# Altium PCB ie-track-kit-arduino-1.PcbDoc (part 1 of 3)
Units mm, origin at the board's own origin, x right, y up, seen from the top; angles counter-clockwise.
Board outline 115 x 212.3 mm, 2 copper layers (Top Layer, Bottom Layer), stack 1.571 mm thick; 281 components, 210 nets, 1109 pads, 342 vias.
Unrouted connection lines stored in the file: 36.
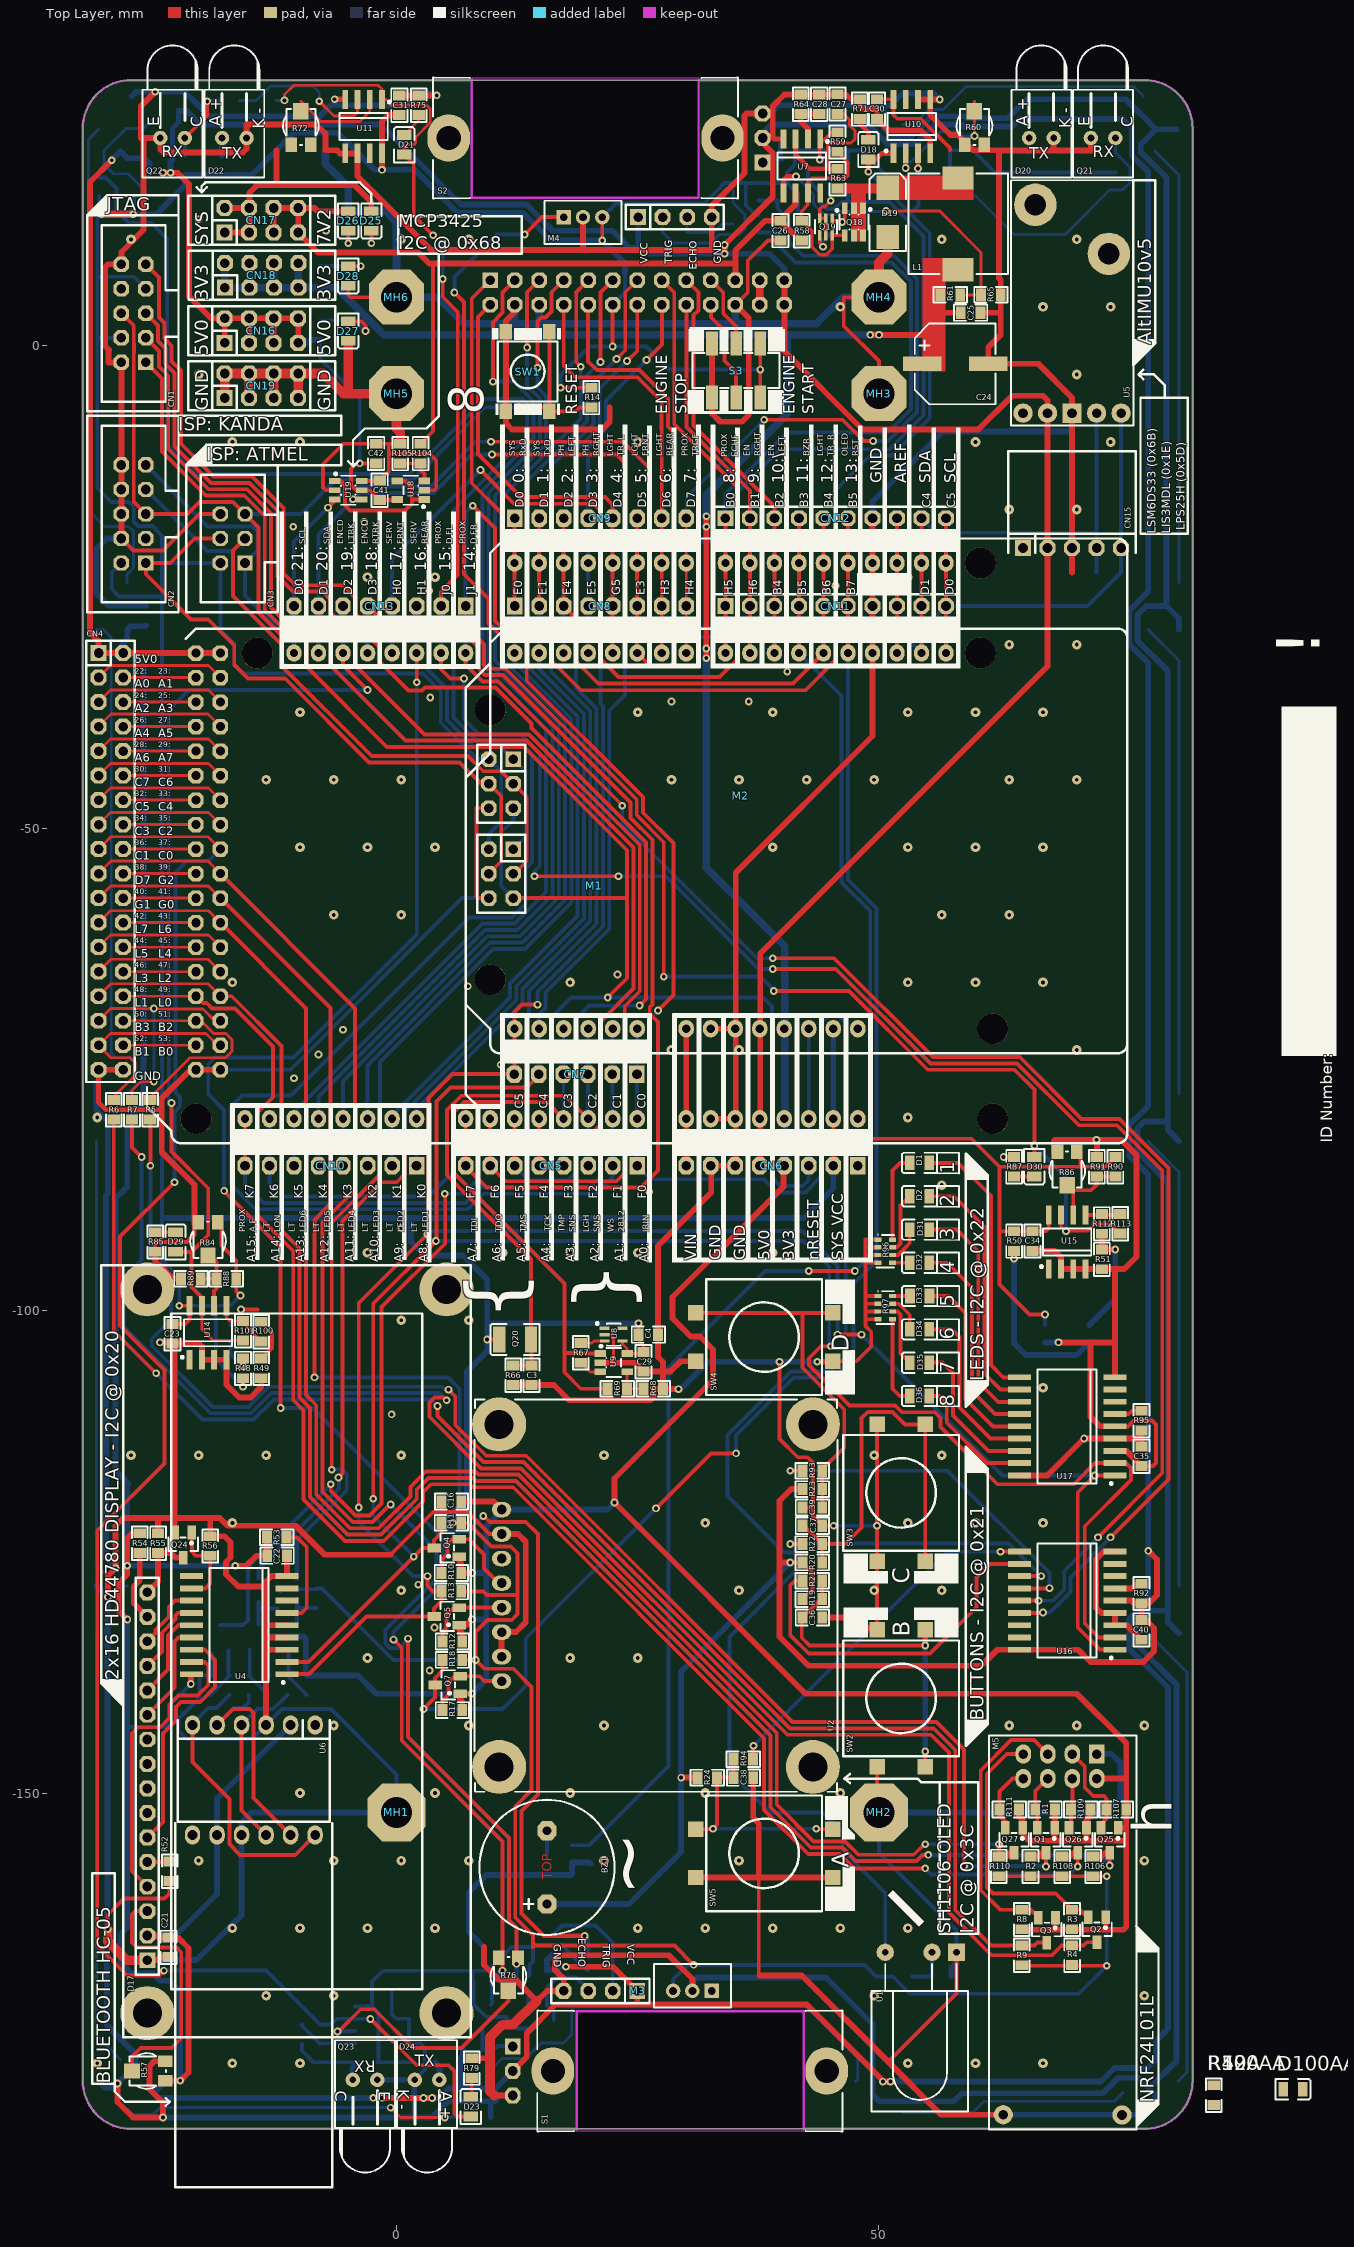
[diagram p0: Top Layer view]
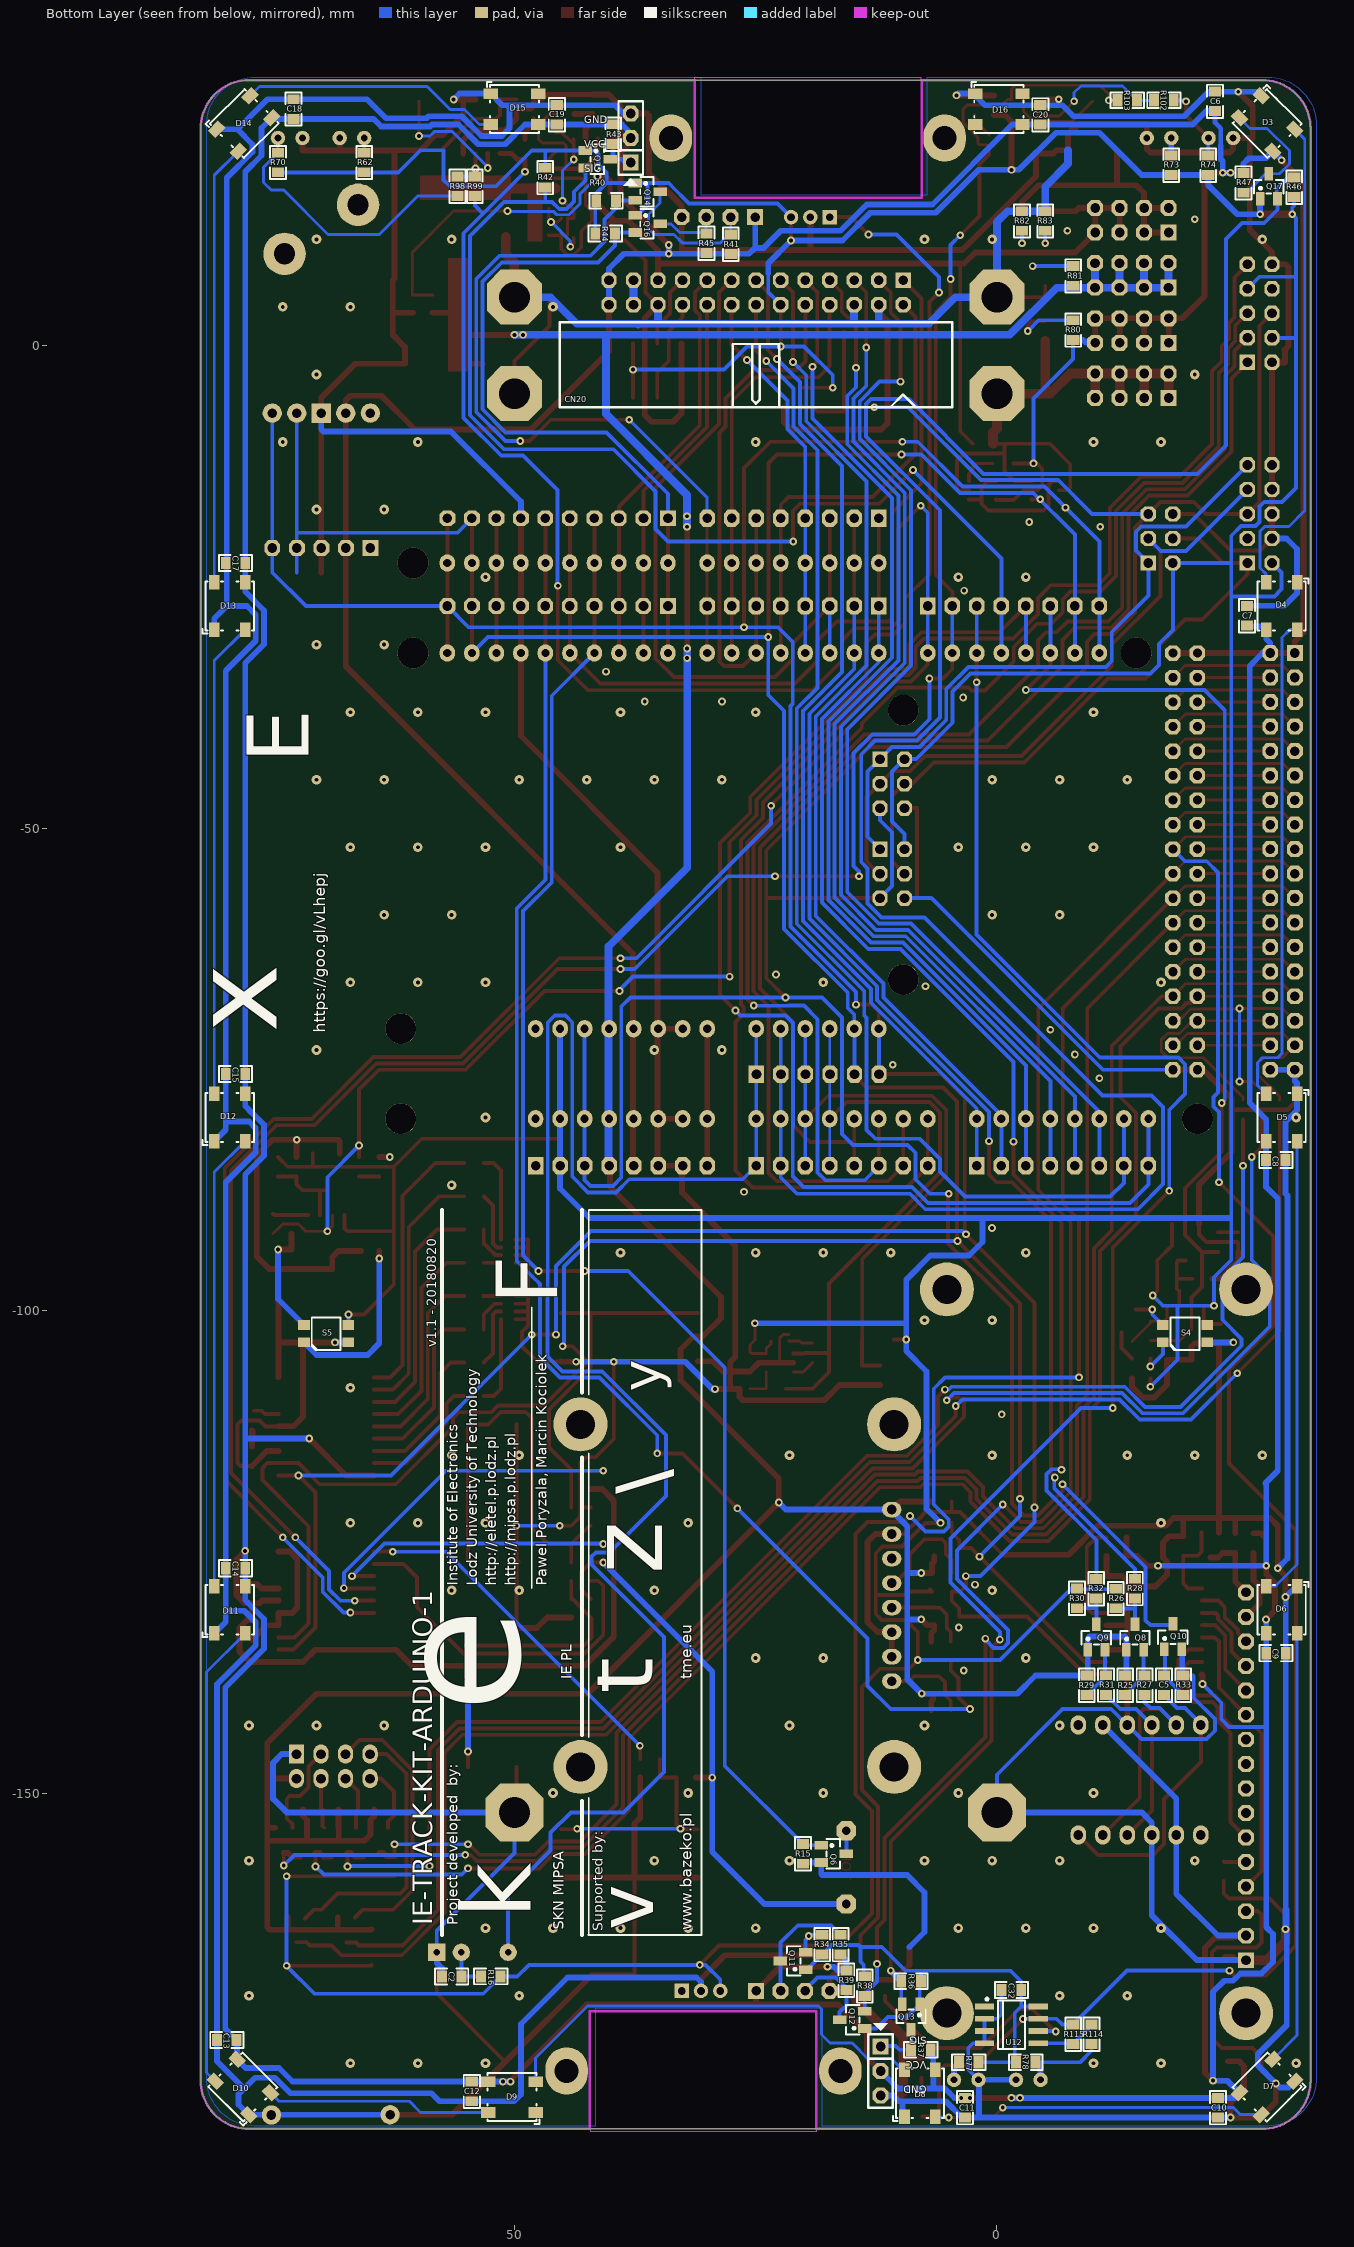
[diagram p1: Bottom Layer view, seen from below]

## Layer stack, top to bottom
Top Solder: solder mask 0.0102, Solder Resist, Dk 3.5
Top Layer: signal copper 0.0356
Dielectric 1: dielectric 1.5, FR-4, Dk 4.8
Bottom Layer: signal copper 0.0356
Bottom Solder: solder mask 0.0102, Solder Resist, Dk 3.5

## Board outline
-32.5,-179.8 -32.5,22.5 cw(c-27.5,22.5) -27.5,27.5 77.5,27.5 cw(c77.5,22.5) 82.5,22.5 82.5,-179.8 cw(c77.5,-179.8) 77.5,-184.8 -27.5,-184.8 cw(c-27.5,-179.8)

## Design rules (kind name [scope] priority, off if disabled: settings)
Clearance [All] p1: gap=0.254 ignorepadtopadclearanceinfootprint=FALSE except(0: Arc-Hole Track-Hole SMDPad-Hole THPad-Hole Via-Hole Fill-Hole Poly-Hole Region-Hole Text-Hole)
PolygonConnect [All] p1: thpad.connectstyle=Relief thpad.reliefconductorwidth=0.5 thpad.reliefentries=4 thpad.polygonreliefangle="90 Angle" thpad.airgapwidth=0.254 smdpad.connectstyle=Relief smdpad.reliefconductorwidth=0.5 smdpad.reliefentries=4 smdpad.polygonreliefangle="90 Angle" smdpad.airgapwidth=0.254 via.connectstyle=Direct via.reliefconductorwidth=0.5 via.reliefentries=4 via.polygonreliefangle="90 Angle" via.airgapwidth=0.254
RoomDefinition "[11] - PERIPHERALS D" [InComponentClass('[11] - PERIPHERALS D')] p1 off: confinementstyle=ConfineIn formatcopy=TRUE lockcomponents=FALSE outline -458,-388 -407.2,-388 -407.2,-362.6 -458,-362.6
RoomDefinition "[12] - COMMUNICATION" [InComponentClass('[12] - COMMUNICATION')] p2 off: confinementstyle=ConfineIn formatcopy=TRUE lockcomponents=FALSE outline -458,-388 -407.2,-388 -407.2,-362.6 -458,-362.6
RoomDefinition "[08] - PERIPHERALS A" [InComponentClass('[08] - PERIPHERALS A')] p3 off: confinementstyle=ConfineIn formatcopy=TRUE lockcomponents=FALSE outline -458,-388 -407.2,-388 -407.2,-362.6 -458,-362.6
RoomDefinition "[13] - CONNECTOR" [InComponentClass('[13] - CONNECTOR')] p4 off: confinementstyle=ConfineIn formatcopy=TRUE lockcomponents=FALSE outline -458,-388 -407.2,-388 -407.2,-362.6 -458,-362.6
RoomDefinition "[07] - DEBUGGING & PROGRAMMING" [InComponentClass('[07] - DEBUGGING & PROGRAMMING')] p5 off: confinementstyle=ConfineIn formatcopy=TRUE lockcomponents=FALSE outline -458,-388 -407.2,-388 -407.2,-362.6 -458,-362.6
RoomDefinition "[04] - ARDUINO UNO (MEGA)" [InComponentClass('[04] - ARDUINO UNO (MEGA)')] p6 off: confinementstyle=ConfineIn formatcopy=TRUE lockcomponents=FALSE outline -458,-388 -407.2,-388 -407.2,-362.6 -458,-362.6
RoomDefinition "[10] - PERIPHERALS C" [InComponentClass('[10] - PERIPHERALS C')] p7 off: confinementstyle=ConfineIn formatcopy=TRUE lockcomponents=FALSE outline -458,-388 -407.2,-388 -407.2,-362.6 -458,-362.6
RoomDefinition "[03] - BLOCK DIAGRAM" [InComponentClass('[03] - BLOCK DIAGRAM')] p8 off: confinementstyle=ConfineIn formatcopy=TRUE lockcomponents=FALSE outline -458,-388 201,-388 201,123.5 -458,123.5
RoomDefinition "[09] - PERIPHERALS B" [InComponentClass('[09] - PERIPHERALS B')] p9 off: confinementstyle=ConfineIn formatcopy=TRUE lockcomponents=FALSE outline -69,-188 113.26,-188 113.26,27.5 -69,27.5
RoutingVias [All] p1: holewidth=0.4 width=0.8 viastyle="Through Hole" minholewidth=0.4 minwidth=0.8 maxholewidth=0.4 maxwidth=0.8
SilkToSilkClearance [All] p1: silktosilkclearance=0
SilkToSolderMaskClearance [IsPad] p1: minsilkscreentomaskgap=0 clearancetoexposedcopper=TRUE
SolderMaskExpansion [All] p1: expansion=0.102
Width [All] p1: maxlimit=3 minlimit=0.3 preferedwidth=0.6
28 further rules are at their usual default settings.

## Classes and differential pairs
component class "[13] - CONNECTOR": C24 C25 C26 C27 C28 CN16 CN17 CN18 CN19 CN20 D19 D25 D26 D27 D28 D100AA L1 Q18 Q19 R58 R59 R61 R63 R64 R65 R80 R81 R82 R83 R100AA S3 U7
component class "[10] - PERIPHERALS C": C23 C30 C31 C32 C34 D18 D20 D21 D22 D23 D24 D29 D30 Q21 Q22 Q23 R48 R49 R49A R50 R51 R52A R60 R62 R70 R71 R72 R73 R74 R75 R76 R77 R78 R79 R84 R85 R86 R87 R88 R89 R90 R91 R98 R99 R100 R101 R102 R103 R112 R113 R114 R115 S4 S5 U10 U11 U12 U14 U15
component class "[09] - PERIPHERALS B": BZ1 C2 C3 C4 C29 M3 M4 Q6 Q11 Q12 Q13 Q14 Q15 Q16 Q20 R15 R16 R34 R35 R36 R37 R38 R39 R40 R41 R42 R43 R44 R45 R66 R67 R68 R69 S1 S2 U1 U8 U9
component class "[07] - DEBUGGING & PROGRAMMING": CN1 CN2 CN3 Q1 Q2 Q3 Q4 Q5 Q8 Q9 R1 R2 R3 R4 R8 R9 R10 R11 R12 R13 R14 R25 R26 R27 R28 R29 R30 R31 R32 SW1
component class "[11] - PERIPHERALS D": C35 C36 C37 C38 C39 C40 D1 D2 D31 D32 D33 D34 D35 D36 R19 R20 R21 R22 R23 R24 R92 R93 R94 R95 R96 R97 SW2 SW3 SW4 SW5 U16 U17
component class "[08] - PERIPHERALS A": C6 C7 C8 C9 C10 C11 C12 C13 C14 C15 C16 C17 C18 C19 C20 C21 C22 CN15 D3 D4 D5 D6 D7 D8 D9 D10 D11 D12 D13 D14 D15 D16 D17 Q7 Q17 Q24 R17 R18 R46 R47 R52 R53 R54 R55 R56 R57 U2 U4 U5 U43546
component class "[03] - BLOCK DIAGRAM": MH1 MH2 MH3 MH4 MH5 MH6
component class "[04] - ARDUINO UNO (MEGA)": CN4 CN5 CN6 CN7 CN8 CN9 CN10 CN11 CN12 CN13 M1 M2 R5 R6 R7
component class "[12] - COMMUNICATION": C5 C41 C42 M5 Q10 Q25 Q26 Q27 R33 R104 R105 R106 R107 R108 R109 R110 R111 U6 U18 U19

## Components (designator, comment, footprint, x,y, rotation, side; value= is the part's Value field where it differs from the comment)
BZ1 "BPT1412XH7.5" BUZ-13,8-7,6 15.6,-157.7 r90 top locked
C2 "4,7uF / 6,3V" C0805 56.5,-169 r180 bottom
C3 "*" C0805 14,-106.7 r90 top
C4 "*" C0805 26.1,-102.5 r0 top
C5 "100nF" C0805 -17.3,-138.825 r90 bottom
C6 "*" C0805 -22.6,25.3 r90 bottom
C7 "*" C0805 -25.9,-28 r270 bottom
C8 "*" C0805 -28.9,-84.4 r180 bottom
C9 "*" C0805 -28.916,-135.5 r0 bottom
C10 "*" C0805 -22.9,-182.6 r270 bottom
C11 "*" C0805 3.3,-182.6 r90 bottom
C12 "*" C0805 54.409,-180.916 r270 bottom
C13 "*" C0805 79.8,-175.6 r180 bottom
C14 "*" C0805 78.9,-126.7 r0 bottom
C15 "*" C0805 78.9,-75.5 r180 bottom
C16 "*" C0805 5.7,-119.8 r0 top
C17 "*" C0805 78.9,-22.54 r0 bottom
C18 "*" C0805 72.9,24.5 r270 bottom
C19 "*" C0805 45.6,23.916 r90 bottom
C20 "*" C0805 -4.5,23.9 r270 bottom
C21 "*" C0805 -23.6,-165.984 r90 top
C22 "*" C0805 -12.363,-125.4 r180 top
C23 "100nF" C0805 -23.2,-102.4 r270 top
C24 "220uF/16V" CES_E_8.3x8.3_6.2 57.9,-1.9 r90 top
C25 "100n/50V" C0805 59.5,3.4 r180 top
C26 "1u/16V" C0805 39.8,11.9 r90 top
C27 "2,2n/50V" C0805 45.7,25.016 r270 top
C28 "6,8n/50V" C0805 43.8,25 r270 top
C29 "*" C0805 25.6,-105.3 r90 top
C30 "100nF" C0805 49.8,24.5 r270 top
C31 "100nF" C0805 0.3,24.9 r90 top
C32 "100nF" C0805 -1.5,-170.4 r0 bottom
C34 "100nF" C0805 65.9,-92.8 r270 top
C35 "*" C0805 77.2,-115.1 r90 top
C36 "10nF" C0805 43.1,-131.8 r180 top
C37 "10nF" C0805 43.1,-122.3 r180 top
C38 "10nF" C0805 35.954,-148.4 r180 top
C39 "10nF" C0805 43.1,-120.4 r0 top
C40 "*" C0805 77.2,-133.09 r90 top
C41 "100nF" C0805 -1.741,-15 r90 top
C42 "100nF" C0805 -2.1,-11.2 r90 top
CN1 "AVR JTAG Interface" IDC10 -27.23,3.33 r90 top
CN2 "AVR ISP Kanda Interface" IDC10 -27.23,-17.46 r90 top
CN3 "AVR ISP Interface" IDC6 -16.965,-20 r90 top
CN4 "CN_18x2" GP_18x2 -28.324,-31.87 r270 top
CN5 "CN_8x1" GP_8X1 24.945,-85 r180 top
CN6 "CN_8x1" GP_8X1 47.805,-85 r180 top
CN7 "CN_6x1" GP_6X1 24.92,-75.5 r180 top
CN8 "CN_8x1" GP_8X1 12.245,-27 r0 top
CN9 "CN_8x1" GP_8X1 12.245,-17.9 r0 top
CN10 "CN_8x1" GP_8X1 2.085,-85 r180 top
CN11 "CN_10x1" GP_10x1 34.089,-27 r0 top
CN12 "CN_10x1" GP_10x1 34.089,-17.9 r0 top
CN13 "CN_8x1" GP_8X1 7.165,-27 r180 top
CN15 "CN_5x1" GP_5x1H_F 64.93,-20.98 r0 top
CN16 "CN_4x2" GP_4x2 -17.8,0.275 r0 top
CN17 "CN_4x2" GP_4x2 -17.8,11.705 r0 top
CN18 "CN_4x2" GP_4x2 -17.785,5.99 r0 top
CN19 "CN_4x2" GP_4x2 -17.8,-5.44 r0 top
CN20 "IDC Connector" IDC26_RA_LONG_W_CN 24.96,5.5 r0 bottom locked
D1 "RED" LED0805R 54.2,-84.7 r180 top
D2 "RED" LED0805R 54.2,-88.15 r180 top
D3 "WS2812B" WS2812B -28,23 r45 bottom locked
D4 "WS2812B" WS2812B -29.5,-27 r90 bottom locked
D5 "WS2812B" WS2812B -29.5,-80 r90 bottom locked
D6 "WS2812B" WS2812B -29.5,-131 r90 bottom locked
D7 "WS2812B" WS2812B -28,-180.462 r135 bottom locked
D8 "WS2812B" WS2812B 7.981,-181.112 r270 bottom
D9 "WS2812B" WS2812B 50.25,-181.5 r180 bottom
D10 "WS2812B" WS2812B 78.136,-180.462 r225 bottom locked
D11 "WS2812B" WS2812B 79.5,-131 r270 bottom locked
D12 "WS2812B" WS2812B 79.5,-80 r270 bottom locked
D13 "WS2812B" WS2812B 79.5,-27 r270 bottom locked
D14 "WS2812B" WS2812B 78,23 r315 bottom locked
D15 "WS2812B" WS2812B 50,24.5 r0 bottom
D16 "WS2812B" WS2812B -0.2,24.5 r0 bottom
D17 "RC1602B-GHY-CSXD" RC1602B-GHY-CSXD -25.816,-167.306 r90 top locked
D18 "RED" LED0805R 48.9,20.3 r90 top
D19 "MBRS140T3G" SMB 50.9,13.8 r90 top
D20 "TSHG6210" LED-502 66.83,21.5 r0 top locked
D21 "RED" LED0805R 0.8,20.8 r90 top
D22 "TSHG6210" LED-502 -16.8,21.5 r0 top locked
D23 "RED" LED0805R 7.7,-182.484 r90 top
D24 "TSHG6210" LED-502 3.177,-179.715 r180 top
D25 "RED" LED0805R -2.6,12.9 r270 top
D26 "RED" LED0805R -5,12.9 r270 top
D27 "GREEN" LED0805G -5,1.5 r270 top
D28 "LED_YELLOW" LED0805Y -5,7.2 r270 top
D29 "RED" LED0805R -22.9,-92.9 r90 top
D30 "RED" LED0805R 66.1,-85.1 r270 top
D31 "RED" LED0805R 54.2,-91.616 r180 top
D32 "RED" LED0805R 54.2,-95.05 r180 top
D33 "RED" LED0805R 54.216,-98.5 r180 top
D34 "RED" LED0805R 54.2,-101.95 r180 top
D35 "RED" LED0805R 54.2,-105.4 r180 top
D36 "RED" LED0805R 54.2,-108.85 r180 top
D100AA "GREEN" LED0805G 92.899,-180.7 r0 top
L1 "10uH, 3,45A" PSDB1005 58.2,12.6 r270 top
M1 "Arduino MEGA Rev3" ARDUINO_MEGA_UPSIDE_DOWN 20.5,-56 r180 top locked
M2 "Arduino UNO Rev3" ARDUINO_UNO_UPSIDE_DOWN 35.74,-46.67 r180 top locked
M3 "*" HC-SR04_UNIV#1 25,-170.5 r180 top
M4 "*" HC-SR04_UNIV#2 25,13.3 r0 top
M5 "NRF24L01L" NRF24L01L 72.58,-145.96 r90 top locked
MH1 "MHOLE 3mm" "3mm screw drill I"#1 0,-152 r0 top locked
MH2 "MHOLE 3mm" "3mm screw drill I"#1 50,-152 r0 top locked
MH3 "MHOLE 3mm" "3mm screw drill I"#2 50,-5 r0 top locked
MH4 "MHOLE 3mm" "3mm screw drill I"#2 50,5 r0 top locked
MH5 "MHOLE 3mm" "3mm screw drill I"#2 0,-5 r0 top locked
MH6 "MHOLE 3mm" "3mm screw drill I"#2 0,5 r0 top locked
Q1 "BSS138" SOT-23 67.3,-154.9 r180 top
Q2 "BSS138" SOT-23 72.6,-164.154 r180 top
Q3 "BSS138" SOT-23 67.4,-164.2 r180 top
Q4 "BSS138" SOT-23 5.2,-124.6 r90 top
Q5 "BSS138" SOT-23 5.2,-131.7 r90 top
Q6 "BSS138" SOT-23 16.9,-156.3 r270 bottom
Q7 "BSS138" SOT-23 5.3,-138.8 r90 top
Q8 "BSS138" SOT-23 -14.3,-133.825 r180 bottom
Q9 "BSS138" SOT-23 -10.3,-133.825 r180 bottom
Q10 "BSS138" SOT-23 -18.235,-133.779 r180 bottom
Q11 "BSS138" SOT-23 21.134,-167.4 r90 bottom
Q12 "BSS138" SOT-23 15,-173.5 r90 bottom
Q13 "BSS138" SOT-23 8.9,-173.2 r0 bottom
Q14 "BSS138" SOT-23 36.2,15.937 r270 bottom
Q15 "BSS138" SOT-23 41.35,19.3 r270 bottom
Q16 "BSS138" SOT-23 36.2,12.6 r270 bottom
Q17 "BSS138" SOT-23 -28.171,16.5 r180 bottom
Q18 "AO6401A" SOT-23-6 47.4,12.8 r180 top
Q19 "BC847BPN" "SOT-323-6 (SOT-363, SC88, SC70-6)" 44.5,12.3 r180 top
Q20 "KPS-3227SP1C" KPS-3227 12.3,-103 r180 top
Q21 "BPW96C" LED-502 73.23,21.5 r0 top locked
Q22 "BPW96C" LED-502 -23.2,21.5 r0 top locked
Q23 "BPW96C" LED-502 -3.249,-179.715 r180 top
Q24 "BSS138" SOT-23 -22.1,-124.3 r180 top
Q25 "BSS138" SOT-23 73.9,-154.9 r180 top
Q26 "BSS138" SOT-23 70.6,-154.9 r180 top
Q27 "BSS138" SOT-23 64,-154.9 r180 top
R1 "10k" R0805 67.216,-151.7 r0 top
R2 "10k" R0805 65.7,-157.6 r270 top
R3 "10k" R0805 70,-163.1 r270 top
R4 "10k" R0805 70.01,-166.8 r270 top
R5 "1k" R0805 -25.5,-79.2 r90 top
R6 "1k" R0805 -29.3,-79.2 r270 top
R7 "1k" R0805 -27.4,-79.2 r270 top
R8 "10k" R0805 64.8,-163.1 r270 top
R9 "10k" R0805 64.8,-166.816 r270 top
R10 "10k" R0805 5.7,-127.2 r0 top
R11 "10k" R0805 5.7,-122 r0 top
R12 "10k" R0805 5.8,-134.3 r0 top
R13 "10k" R0805 5.7,-129.1 r0 top
R14 "10k" R0805 20.2,-5.4 r90 top
R15 "10k" R0805 20.1,-156.3 r270 bottom
R16 "100R" R0805 52.45,-169 r0 bottom
R17 "10k" R0805 5.8,-141.4 r0 top
R18 "10k" R0805 5.8,-136.2 r0 top
R19 "=Value" R0805 43.1,-129.9 r180 top
R20 "=Value" R0805 43.1,-126.1 r180 top
R21 "=Value" R0805 43.1,-128 r0 top
R22 "=Value" R0805 43.1,-124.2 r0 top
R23 "=Value" R0805 43.1,-118.5 r180 top
R24 "=Value" R0805 32.2,-148.4 r180 top
R25 "10k" R0805 -13.3,-138.827 r270 bottom
R26 "10k" R0805 -12.3,-129.841 r270 bottom
R27 "4k7" R0805 -15.3,-138.825 r90 bottom
R28 "0R" R0805 -14.3,-128.809 r90 bottom
R29 "10k" R0805 -9.3,-138.825 r270 bottom
R30 "10k" R0805 -8.3,-129.825 r270 bottom
R31 "4k7" R0805 -11.3,-138.809 r90 bottom
R32 "1k" R0805 -10.3,-128.825 r90 bottom
R33 "10k" R0805 -19.3,-138.825 r90 bottom
R34 "10k" R0805 18.1,-165.7 r270 bottom
R35 "10k" R0805 16.2,-165.7 r270 bottom
R36 "10k" R0805 8.9,-169.5 r180 bottom
R37 "10k" R0805 7.884,-176.6 r180 bottom
R38 "10k" R0805 13.7,-170 r90 bottom
R39 "10k" R0805 15.6,-169.4 r90 bottom
R40 "10k" R0805 40.5,15 r0 bottom
R41 "10k" R0805 27.588,10.5 r270 bottom
R42 "10k" R0805 46.8,17.4 r90 bottom
R43 "10k" R0805 39.75,21.9 r90 bottom
R44 "10k" R0805 40.6,11.6 r0 bottom
R45 "10k" R0805 30.1,10.6 r270 bottom
R46 "10k" R0805 -30.8,16.4 r270 bottom
R47 "10k" R0805 -25.555,16.846 r90 bottom
R48 "100R" R0805 -15.9,-106 r270 top
R49 "0R" R0805 -14,-106 r90 top
R49A "47k" R0805 84.699,-181.3 r90 top
R50 "100R" R0805 64,-92.8 r90 top
R51 "0R" R0805 73.1,-94.7 r90 top
R52 "10k" R0805 -23.5,-158.103 r90 top
R52A "47k" R0805 84.699,-181.3 r90 top
R53 "10k" R0805 -12.4,-123.5 r0 top
R54 "110R" R0805 -26.6,-124.1 r270 top
R55 "0R" R0805 -24.7,-124.1 r90 top
R56 "10k" R0805 -19.3,-124.4 r90 top
R57 "*" 3305SMD -25.9,-178.8 r90 top value=10k
R58 "0R050" R0805 42,11.9 r90 top
R59 "1k" R0805 45.7,21.084 r90 top
R60 "*" 3305SMD 59.895,22.773 r0 top value=10k
R61 "1k0 1%" R0805 57.4,5.25 r180 top
R62 "100R" R0805 65.56,18.96 r90 bottom
R63 "22k" R0805 45.7,17.29 r90 top
R64 "1k" R0805 41.9,25 r90 top
R65 "1k69 1%" R0805 61.6,5.25 r0 top
R66 "=Value" R0805 12.1,-106.7 r270 top
R67 "=Value" R0805 19.1,-104.384 r90 top
R68 "=Value" R0805 26.616,-108.1 r0 top
R69 "=Value" R0805 22.884,-108.1 r0 top
R70 "5k6" R0805 74.5,18.96 r90 bottom
R71 "820R" R0805 48,24.5 r90 top
R72 "*" 3305SMD -9.9,22.773 r0 top value=10k
R73 "100R" R0805 -18.07,18.684 r90 bottom
R74 "5k6" R0805 -21.9,18.684 r90 bottom
R75 "820R" R0805 2.3,24.9 r90 top
R76 "*" 3305SMD 11.6,-169 r180 top value=10k
R77 "100R" R0805 2.916,-177.9 r0 bottom
R78 "5k6" R0805 -2.995,-177.9 r180 bottom
R79 "820R" R0805 7.8,-178.5 r90 top
R80 "220R" R0805 -7.9,1.6 r90 bottom
R81 "150R" R0805 -7.9,7.206 r90 bottom
R82 "1k" R0805 -2.6,12.9 r90 bottom
R83 "1k" R0805 -5,12.9 r90 bottom
R84 "*" 3305SMD -19.527,-92.8 r180 top value=10k
R85 "820R" R0805 -25,-92.9 r270 top
R86 "*" 3305SMD 69.5,-85.5 r180 top value=10k
R87 "820R" R0805 64,-85.1 r90 top
R88 "1k" R0805 -17.622,-96.7 r180 top
R89 "1k" R0805 -21.3,-96.7 r180 top
R90 "1k" R0805 74.5,-85.1 r270 top
R91 "1k" R0805 72.58,-85.1 r90 top
R92 "10k" R0805 77.2,-129.325 r90 top
R93 "=Value" R0805 43.1,-116.6 r0 top
R94 "=Value" R0805 35.939,-146.5 r180 top
R95 "10k" R0805 77.2,-111.4 r90 top
R96 "*" RPack_0603x4_1206 50.648,-93.85 r270 top
R97 "*" RPack_0603x4_1206 50.648,-99.7 r270 top
R98 "0R" R0805 55.9,16.5 r90 bottom
R99 "100k" R0805 54.1,16.5 r270 bottom
R100 "0R" R0805 -14,-102.184 r270 top
R100AA "220R" R0805 84.699,-181.3 r90 top
R101 "470k" R0805 -15.9,-102.1 r270 top
R102 "0R" R0805 -17.3,25.4 r0 bottom
R103 "100k" R0805 -13.511,25.4 r0 bottom
R104 "39k 1%" R0805 2.5,-11.2 r270 top
R105 "36k 1%" R0805 0.4,-11.2 r90 top
R106 "10k" R0805 72.2,-157.6 r90 top
R107 "10k" R0805 74.6,-151.7 r180 top
R108 "10k" R0805 69,-157.6 r90 top
R109 "10k" R0805 70.9,-151.7 r180 top
R110 "10k" R0805 62.4,-157.6 r90 top
R111 "10k" R0805 63.5,-151.7 r180 top
R112 "0R" R0805 73.1,-91.022 r90 top
R113 "470k" R0805 75,-91 r270 top
R114 "0R" R0805 -9.8,-175 r90 bottom
R115 "100k" R0805 -7.9,-175 r90 bottom
S1 "HD-1581HB" HD-1581HB_VERTICAL_1 25,-178.8 r180 top locked
S2 "HD-1581HB" HD-1581HB_VERTICAL_1 25,21.5 r0 top locked
S3 "JS202011SCQN" JS202011SCQN 35.2,-2.6 r180 top
S4 "KTIR0711S" KTIR0711S -19.5,-102.4 r180 bottom locked
S5 "KTIR0711S" KTIR0711S 69.5,-102.4 r180 bottom locked
SW1 "DTSM-65R" DTSM-65R 13.6,-2.7 r270 top
SW2 "DTSM-25Y" DTSM-25Y 52.3,-140.19 r90 top locked
SW3 "DTSM-25Y" DTSM-25Y 52.3,-118.89 r90 top locked
SW4 "DTSM-25Y" DTSM-25Y 38.1,-102.75 r180 top locked
SW5 "DTSM-25Y" DTSM-25Y 38.1,-156.25 r180 top locked
U1 "TSOP31236" TSOP312(4)_H 58.04,-166.5 r180 top
U2 "WaveShare_1.3inch_OLED_B" WAVESHARE_1.3INCH_OLED 26.9,-129.54 r90 top locked
U4 "MCP23008-E/SO" SO18W -16.3,-132.6 r90 top
U5 "AltIMU10v4" "AltIMU-10 v4_REVERSE" 70.01,-8.28 r270 top
U6 "HC-05 BTM" HC-05_H_2 -14.781,-142.941 r180 top locked
U7 "NCP3063BDR2G" SO8 42,18.6 r180 top
U8 "MCP9701T-E/LT" "SOT-323-5 (SOT-353, SC70-5)" 22.5,-102.5 r270 top locked
U9 "MCP6001T-I/OT" SOT-23-5 22.5,-105.4 r270 top locked
U10 "LM393DT" SO8 53.4,22.7 r0 top
U11 "LM393DT" SO8 -3.4,22.7 r180 top
U12 "LM393DT" SO8 -1.5,-174.015 r270 bottom
U14 "LM393DT" SO8 -19.527,-102.3 r0 top
U15 "LM393DT" SO8 69.5,-92.9 r0 top
U16 "MCP23008-E/SO" SO18W 69.5,-130.06 r90 top
U17 "MCP23008-E/SO" SO18W 69.5,-112 r90 top
U18 "MCP6001T-I/OT" SOT-23-5 1.5,-15 r90 top
U19 "MCP3425A0T-ECH" SOT-23-6 -5,-15 r270 top
